# KiCad board panel.kicad_pcb (continued)
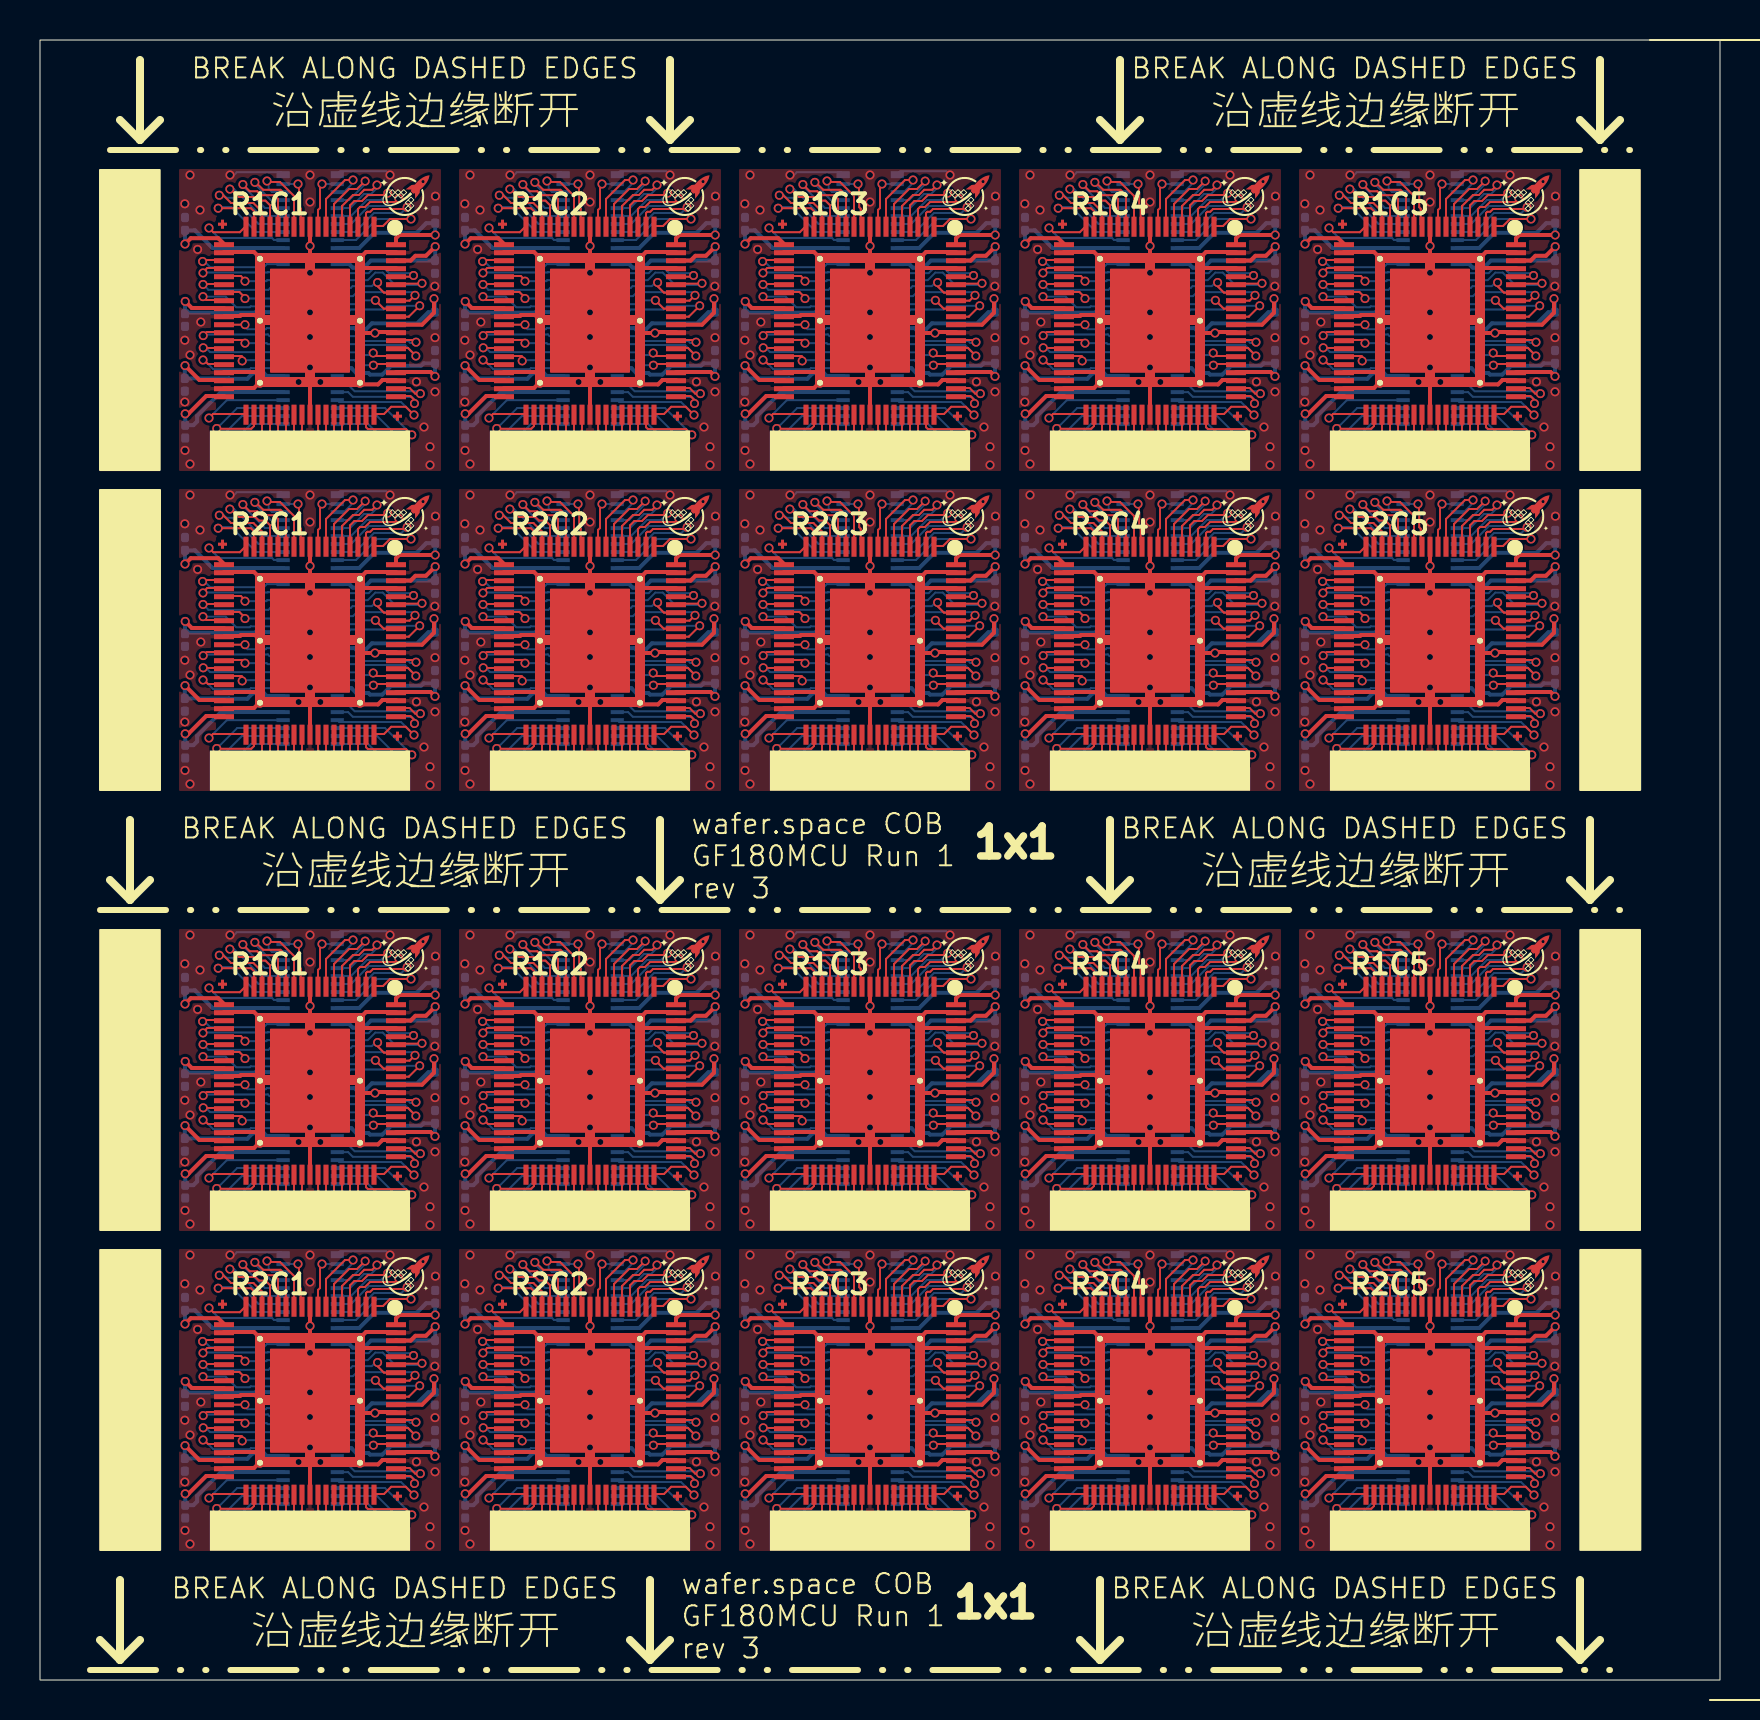
[diagram p0: board, top side]
## Routing (per net, layer and track width the routed paths; a pad name or vN(x,y) marks a point on that pad's centre or on a via; arc(x,y) is an arc through that point) (continued)
  Bottom w0.1: v1(30.66,50.35) 30.56,50.25 30,50.25 29.86,50.39 28.87,50.39 28.87,50.39 ; v1(58.66,28.35) 58.56,28.25 58,28.25 57.86,28.39 56.87,28.39 56.87,28.39 ; 70.87,12.39 70.88,12.39 71.86,12.39 72,12.25 72.56,12.25 v1(72.66,12.35) ; v1(58.66,12.35) 58.56,12.25 58,12.25 57.86,12.39 56.87,12.39 56.87,12.39 ; v1(16.66,12.35) 16.56,12.25 16,12.25 15.86,12.39 14.87,12.39 14.87,12.39 ; v1(44.66,12.35) 44.56,12.25 44,12.25 43.86,12.39 42.87,12.39 42.87,12.39 ; 28.87,28.39 28.87,28.39 29.86,28.39 30,28.25 30.56,28.25 v1(30.66,28.35) ; v1(44.66,28.35) 44.56,28.25 44,28.25 43.86,28.39 42.87,28.39 42.87,28.39 ; U109#2.22 70.88,66.38 71.86,66.38 72,66.25 72.56,66.25 v1(72.66,66.35) ; 70.87,50.39 70.88,50.39 71.86,50.39 72,50.25 72.56,50.25 v1(72.66,50.35) ; U103#2.22 28.87,66.38 29.86,66.38 30,66.25 30.56,66.25 v1(30.66,66.35) ; U105.22 42.87,66.38 43.86,66.38 44,66.25 44.56,66.25 v1(44.66,66.35) ; v1(58.66,66.35) 58.56,66.25 58,66.25 57.86,66.38 56.87,66.38 U107.22 ; 42.87,50.39 42.87,50.39 43.86,50.39 44,50.25 44.56,50.25 v1(44.66,50.35) ; 14.87,50.39 14.87,50.39 15.86,50.39 16,50.25 16.56,50.25 v1(16.66,50.35) ; 14.87,28.39 14.87,28.39 15.86,28.39 16,28.25 16.56,28.25 v1(16.66,28.35) ; U101#2.22 14.87,66.38 15.86,66.38 16,66.25 16.56,66.25 v1(16.66,66.35) ; 56.87,50.39 56.87,50.39 57.86,50.39 58,50.25 58.56,50.25 v1(58.66,50.35) ; v1(72.66,28.35) 72.56,28.25 72,28.25 71.86,28.39 70.88,28.39 70.87,28.39 ; v1(30.66,12.35) 30.56,12.25 30,12.25 29.86,12.39 28.87,12.39 28.87,12.39
/pad_60: length 109.2
  Top w0.1: v1(18.79,50.2) 18.79,50.28 18.8,50.29 18.71,50.29 18.4,50.6 17.8,50.6 ; 31.8,66.6 32.4,66.6 32.71,66.29 32.8,66.29 32.79,66.28 v1(32.79,66.2) ; 45.8,66.6 46.4,66.6 46.71,66.29 46.8,66.29 46.79,66.28 v1(46.79,66.2) ; 73.8,28.6 74.4,28.6 74.71,28.29 74.8,28.29 74.79,28.28 v1(74.79,28.2) ; v1(60.79,28.2) 60.79,28.28 60.8,28.29 60.71,28.29 60.4,28.6 59.8,28.6 ; 45.8,50.6 46.4,50.6 46.71,50.29 46.8,50.29 46.79,50.28 v1(46.79,50.2) ; 17.8,12.6 18.4,12.6 18.71,12.29 18.8,12.29 18.79,12.28 v1(18.79,12.2) ; v1(60.79,50.2) 60.79,50.28 60.8,50.29 60.71,50.29 60.4,50.6 59.8,50.6 ; v1(32.79,50.2) 32.79,50.28 32.8,50.29 32.71,50.29 32.4,50.6 31.8,50.6 ; 45.8,28.6 46.4,28.6 46.71,28.29 46.8,28.29 46.79,28.28 v1(46.79,28.2) ; v1(18.79,28.2) 18.79,28.28 18.8,28.29 18.71,28.29 18.4,28.6 17.8,28.6 ; 45.8,12.6 46.4,12.6 46.71,12.29 46.8,12.29 46.79,12.28 v1(46.79,12.2) ; v1(32.79,12.2) 32.79,12.28 32.8,12.29 32.71,12.29 32.4,12.6 31.8,12.6 ; 73.8,66.6 74.4,66.6 74.71,66.29 74.8,66.29 74.79,66.28 v1(74.79,66.2) ; 59.8,12.6 60.4,12.6 60.71,12.29 60.8,12.29 60.79,12.28 v1(60.79,12.2) ; 73.8,50.6 74.4,50.6 74.71,50.29 74.8,50.29 74.79,50.28 v1(74.79,50.2) ; v1(18.79,66.2) 18.79,66.28 18.8,66.29 18.71,66.29 18.4,66.6 17.8,66.6 ; 73.8,12.6 74.4,12.6 74.71,12.29 74.8,12.29 74.79,12.28 v1(74.79,12.2) ; 31.8,28.6 32.4,28.6 32.71,28.29 32.8,28.29 32.79,28.28 v1(32.79,28.2) ; 59.8,66.6 60.4,66.6 60.71,66.29 60.8,66.29 60.79,66.28 v1(60.79,66.2)
  Bottom w0.1: U101#2.21 15.95,66.8 15.99,66.75 18.25,66.75 18.71,66.29 18.8,66.29 18.79,66.28 v1(18.79,66.2) ; U113#2.21 29.95,50.8 29.99,50.75 32.25,50.75 32.71,50.29 32.8,50.29 32.79,50.28 v1(32.79,50.2) ; v1(18.79,50.2) 18.79,50.28 18.8,50.29 18.71,50.29 18.25,50.75 15.99,50.75 15.95,50.8 U111#2.21 ; v1(18.79,28.2) 18.79,28.28 18.8,28.29 18.71,28.29 18.25,28.75 15.99,28.75 15.95,28.8 U101.21 ; U105#2.21 43.95,28.8 43.99,28.75 46.25,28.75 46.71,28.29 46.8,28.29 46.79,28.28 v1(46.79,28.2) ; U107#2.21 57.95,28.8 57.99,28.75 60.25,28.75 60.71,28.29 60.8,28.29 60.79,28.28 v1(60.79,28.2) ; U117#2.21 57.95,12.8 57.99,12.75 60.25,12.75 60.71,12.29 60.8,12.29 60.79,12.28 v1(60.79,12.2) ; v1(74.79,28.2) 74.79,28.28 74.8,28.29 74.71,28.29 74.25,28.75 72,28.75 71.95,28.8 U109.21 ; U115.21 43.95,50.8 43.99,50.75 46.25,50.75 46.71,50.29 46.8,50.29 46.79,50.28 v1(46.79,50.2) ; U103#2.21 29.95,66.8 29.99,66.75 32.25,66.75 32.71,66.29 32.8,66.29 32.79,66.28 v1(32.79,66.2) ; v1(46.79,66.2) 46.79,66.28 46.8,66.29 46.71,66.29 46.25,66.75 43.99,66.75 43.95,66.8 U105.21 ; U119#2.21 71.95,12.8 72,12.75 74.25,12.75 74.71,12.29 74.8,12.29 74.79,12.28 v1(74.79,12.2) ; v1(32.79,28.2) 32.79,28.28 32.8,28.29 32.71,28.29 32.25,28.75 29.99,28.75 29.95,28.8 U103.21 ; v1(60.79,66.2) 60.79,66.28 60.8,66.29 60.71,66.29 60.25,66.75 57.99,66.75 57.95,66.8 U107.21 ; v1(74.79,66.2) 74.79,66.28 74.8,66.29 74.71,66.29 74.25,66.75 72,66.75 71.95,66.8 U109#2.21 ; v1(60.79,50.2) 60.79,50.28 60.8,50.29 60.71,50.29 60.25,50.75 57.99,50.75 57.95,50.8 U117.21 ; U115#2.21 43.95,12.8 43.99,12.75 46.25,12.75 46.71,12.29 46.8,12.29 46.79,12.28 v1(46.79,12.2) ; U111.21 15.95,12.8 15.99,12.75 18.25,12.75 18.71,12.29 18.8,12.29 18.79,12.28 v1(18.79,12.2) ; v1(74.79,50.2) 74.79,50.28 74.8,50.29 74.71,50.29 74.25,50.75 72,50.75 71.95,50.8 U119.21 ; v1(32.79,12.2) 32.79,12.28 32.8,12.29 32.71,12.29 32.25,12.75 29.99,12.75 29.95,12.8 U113.21
/pad_61: length 104.4
  Top w0.1: 31.8,67 32.71,67 32.8,66.9 v1(32.8,66.89) ; 17.8,51 18.71,51 18.8,50.9 v1(18.8,50.89) ; 31.8,13 32.71,13 32.8,12.9 v1(32.8,12.89) ; 73.8,51 74.71,51 74.8,50.9 v1(74.8,50.89) ; 45.8,67 46.71,67 46.8,66.9 v1(46.8,66.89) ; 45.8,13 46.71,13 46.8,12.9 v1(46.8,12.89) ; v1(46.8,50.89) 46.8,50.9 46.71,51 45.8,51 ; v1(18.8,28.89) 18.8,28.9 18.71,29 17.8,29 ; 59.8,29 60.71,29 60.8,28.9 v1(60.8,28.89) ; 17.8,67 18.71,67 18.8,66.9 v1(18.8,66.89) ; 73.8,67 74.71,67 74.8,66.9 v1(74.8,66.89) ; 59.8,13 60.71,13 60.8,12.9 v1(60.8,12.89) ; v1(60.8,66.89) 60.8,66.9 60.71,67 59.8,67 ; 45.8,29 46.71,29 46.8,28.9 v1(46.8,28.89) ; v1(74.8,12.89) 74.8,12.9 74.71,13 73.8,13 ; v1(74.8,28.89) 74.8,28.9 74.71,29 73.8,29 ; v1(18.8,12.89) 18.8,12.9 18.71,13 17.8,13 ; 31.8,51 32.71,51 32.8,50.9 v1(32.8,50.89) ; 31.8,29 32.71,29 32.8,28.9 v1(32.8,28.89) ; v1(60.8,50.89) 60.8,50.9 60.71,51 59.8,51
  Bottom w0.1: v1(60.8,66.89) 60.8,66.94 60.71,66.85 60.52,66.85 60.42,66.95 58.24,66.95 58,67.19 U107.20 ; v1(74.8,28.89) 74.8,28.94 74.71,28.85 74.52,28.85 74.42,28.95 72.24,28.95 72,29.2 U109.20 ; v1(32.8,50.89) 32.8,50.94 32.71,50.85 32.52,50.85 32.42,50.95 30.24,50.95 30,51.2 U113#2.20 ; U115#2.20 44,13.2 44.24,12.95 46.42,12.95 46.52,12.85 46.71,12.85 46.8,12.94 v1(46.8,12.89) ; U105.20 44,67.19 44.24,66.95 46.42,66.95 46.52,66.85 46.71,66.85 46.8,66.94 v1(46.8,66.89) ; v1(32.8,12.89) 32.8,12.94 32.71,12.85 32.52,12.85 32.42,12.95 30.24,12.95 30,13.2 U113.20 ; U115.20 44,51.2 44.24,50.95 46.42,50.95 46.52,50.85 46.71,50.85 46.8,50.94 v1(46.8,50.89) ; v1(18.8,66.89) 18.8,66.94 18.71,66.85 18.52,66.85 18.42,66.95 16.24,66.95 16,67.19 U101#2.20 ; v1(18.8,12.89) 18.8,12.94 18.71,12.85 18.52,12.85 18.42,12.95 16.24,12.95 16,13.2 U111.20 ; U117.20 58,51.2 58.24,50.95 60.42,50.95 60.52,50.85 60.71,50.85 60.8,50.94 v1(60.8,50.89) ; v1(74.8,50.89) 74.8,50.94 74.71,50.85 74.52,50.85 74.42,50.95 72.24,50.95 72,51.2 U119.20 ; U105#2.20 44,29.2 44.24,28.95 46.42,28.95 46.52,28.85 46.71,28.85 46.8,28.94 v1(46.8,28.89) ; U119#2.20 72,13.2 72.24,12.95 74.42,12.95 74.52,12.85 74.71,12.85 74.8,12.94 v1(74.8,12.89) ; v1(60.8,12.89) 60.8,12.94 60.71,12.85 60.52,12.85 60.42,12.95 58.24,12.95 58,13.2 U117#2.20 ; v1(32.8,28.89) 32.8,28.94 32.71,28.85 32.52,28.85 32.42,28.95 30.24,28.95 30,29.2 U103.20 ; U103#2.20 30,67.19 30.24,66.95 32.42,66.95 32.52,66.85 32.71,66.85 32.8,66.94 v1(32.8,66.89) ; v1(18.8,50.89) 18.8,50.94 18.71,50.85 18.52,50.85 18.42,50.95 16.24,50.95 16,51.2 U111#2.20 ; U101.20 16,29.2 16.24,28.95 18.42,28.95 18.52,28.85 18.71,28.85 18.8,28.94 v1(18.8,28.89) ; v1(60.8,28.89) 60.8,28.94 60.71,28.85 60.52,28.85 60.42,28.95 58.24,28.95 58,29.2 U107#2.20 ; U109#2.20 72,67.19 72.24,66.95 74.42,66.95 74.52,66.85 74.71,66.85 74.8,66.94 v1(74.8,66.89)
/pad_64: length 113.3
  Top w0.1: U118.65 60.44,14.17 v1(60.99,14.71) ; v1(46.99,52.71) 46.44,52.17 U116#2.65 ; v1(74.99,14.71) 74.44,14.17 U120.65 ; v1(46.99,68.71) 46.44,68.16 U106.65 ; U108#2.65 60.44,68.16 v1(60.99,68.71) ; U102#2.65 18.44,30.17 v1(18.99,30.71) ; U120#2.65 74.44,52.17 v1(74.99,52.71) ; U104#2.65 32.44,68.16 v1(32.99,68.71) ; v1(32.99,14.71) 32.44,14.17 U114#2.65 ; v1(18.99,14.71) 18.44,14.17 U112.65 ; v1(74.99,68.71) 74.44,68.16 U110#2.65 ; U112#2.65 18.44,52.17 v1(18.99,52.71) ; v1(18.99,68.71) 18.44,68.16 U102.65 ; v1(74.99,30.71) 74.44,30.17 U110.65 ; U106#2.65 46.44,30.17 v1(46.99,30.71) ; v1(32.99,30.71) 32.44,30.17 U104.65 ; v1(32.99,52.71) 32.44,52.17 U114.65 ; U118#2.65 60.44,52.17 v1(60.99,52.71) ; U116.65 46.44,14.17 v1(46.99,14.71) ; U108.65 60.44,30.17 v1(60.99,30.71)
  Bottom w0.1: 28.87,30.39 29.41,30.39 29.54,30.53 31.19,30.53 31.38,30.71 v1(32.99,30.71) ; 56.87,30.39 57.41,30.39 57.54,30.53 59.19,30.53 59.38,30.71 v1(60.99,30.71) ; 70.87,52.39 71.41,52.39 71.54,52.53 73.19,52.53 73.38,52.71 v1(74.99,52.71) ; v1(46.99,14.71) 45.38,14.71 45.19,14.53 43.54,14.53 43.41,14.39 42.87,14.39 ; v1(18.99,68.71) 17.38,68.71 17.19,68.53 15.54,68.53 15.41,68.4 U101#2.17 ; U103#2.17 29.41,68.4 29.54,68.53 31.19,68.53 31.38,68.71 v1(32.99,68.71) ; 70.87,14.39 71.41,14.39 71.54,14.53 73.19,14.53 73.38,14.71 v1(74.99,14.71) ; v1(74.99,68.71) 73.38,68.71 73.19,68.53 71.54,68.53 71.41,68.4 U109#2.17 ; U105.17 43.41,68.4 43.54,68.53 45.19,68.53 45.38,68.71 v1(46.99,68.71) ; v1(74.99,30.71) 73.38,30.71 73.19,30.53 71.54,30.53 71.41,30.39 70.87,30.39 ; v1(32.99,14.71) 31.38,14.71 31.19,14.53 29.54,14.53 29.41,14.39 28.87,14.39 ; v1(60.99,68.71) 59.38,68.71 59.19,68.53 57.54,68.53 57.41,68.4 U107.17 ; 42.87,52.39 43.41,52.39 43.54,52.53 45.19,52.53 45.38,52.71 v1(46.99,52.71) ; 42.87,30.39 43.41,30.39 43.54,30.53 45.19,30.53 45.38,30.71 v1(46.99,30.71) ; 14.87,52.39 15.41,52.39 15.54,52.53 17.19,52.53 17.38,52.71 v1(18.99,52.71) ; v1(60.99,14.71) 59.38,14.71 59.19,14.53 57.54,14.53 57.41,14.39 56.87,14.39 ; v1(32.99,52.71) 31.38,52.71 31.19,52.53 29.54,52.53 29.41,52.39 28.87,52.39 ; v1(18.99,14.71) 17.38,14.71 17.19,14.53 15.54,14.53 15.41,14.39 14.87,14.39 ; 56.87,52.39 57.41,52.39 57.54,52.53 59.19,52.53 59.38,52.71 v1(60.99,52.71) ; v1(18.99,30.71) 17.38,30.71 17.19,30.53 15.54,30.53 15.41,30.39 14.87,30.39
/pad_65: length 63.8
  Top w0.1: U108#2.66 59.19,68.56 v1(58.77,68.98) ; v1(30.77,52.98) 31.19,52.56 U114.66 ; U118.66 59.19,14.56 v1(58.77,14.98) ; v1(16.77,52.98) 17.19,52.56 U112#2.66 ; U102.66 17.19,68.56 v1(16.77,68.98) ; v1(44.77,52.98) 45.19,52.56 U116#2.66 ; v1(44.77,68.98) 45.19,68.56 U106.66 ; U106#2.66 45.19,30.56 v1(44.77,30.98) ; U110#2.66 73.19,68.56 v1(72.77,68.98) ; U118#2.66 59.19,52.56 v1(58.77,52.98) ; U112.66 17.19,14.56 v1(16.77,14.98) ; v1(72.77,14.98) 73.19,14.56 U120.66 ; v1(30.77,30.98) 31.19,30.56 U104.66 ; v1(72.77,30.98) 73.19,30.56 U110.66 ; v1(44.77,14.98) 45.19,14.56 U116.66 ; v1(58.77,30.98) 59.19,30.56 U108.66 ; U114#2.66 31.19,14.56 v1(30.77,14.98) ; v1(72.77,52.98) 73.19,52.56 U120#2.66 ; v1(30.77,68.98) 31.19,68.56 U104#2.66 ; U102#2.66 17.19,30.56 v1(16.77,30.98)
  Bottom w0.1: v1(16.77,52.98) 16.09,52.98 15.9,52.8 U111#2.16 ; v1(30.77,30.98) 30.09,30.98 29.9,30.8 U103.16 ; v1(44.77,52.98) 44.09,52.98 43.9,52.8 U115.16 ; v1(44.77,30.98) 44.09,30.98 43.9,30.8 U105#2.16 ; v1(72.77,68.98) 72.09,68.98 71.9,68.8 U109#2.16 ; U101.16 15.9,30.8 16.09,30.98 v1(16.77,30.98) ; U113.16 29.9,14.8 30.09,14.98 v1(30.77,14.98) ; v1(30.77,68.98) 30.09,68.98 29.9,68.8 U103#2.16 ; U119.16 71.9,52.8 72.09,52.98 v1(72.77,52.98) ; U117#2.16 57.9,14.8 58.09,14.98 v1(58.77,14.98) ; U117.16 57.9,52.8 58.09,52.98 v1(58.77,52.98) ; v1(44.77,14.98) 44.09,14.98 43.9,14.8 U115#2.16 ; U107.16 57.9,68.8 58.09,68.98 v1(58.77,68.98) ; U119#2.16 71.9,14.8 72.09,14.98 v1(72.77,14.98) ; v1(16.77,14.98) 16.09,14.98 15.9,14.8 U111.16 ; v1(58.77,30.98) 58.09,30.98 57.9,30.8 U107#2.16 ; v1(44.77,68.98) 44.09,68.98 43.9,68.8 U105.16 ; U113#2.16 29.9,52.8 30.09,52.98 v1(30.77,52.98) ; U109.16 71.9,30.8 72.09,30.98 v1(72.77,30.98) ; v1(16.77,68.98) 16.09,68.98 15.9,68.8 U101#2.16
/pad_66: length 101.9
  Top w0.1: U116.67 46.48,14.97 v1(46.75,15.23) ; v1(18.75,15.23) 18.48,14.97 U112.67 ; U110#2.67 74.48,68.97 v1(74.75,69.23) ; U110.67 74.48,30.97 v1(74.75,31.23) ; U114#2.67 32.48,14.97 v1(32.75,15.23) ; U108.67 60.48,30.97 v1(60.75,31.23) ; v1(32.75,69.23) 32.48,68.97 U104#2.67 ; U106#2.67 46.48,30.97 v1(46.75,31.23) ; v1(60.75,15.23) 60.48,14.97 U118.67 ; v1(46.75,53.23) 46.48,52.97 U116#2.67 ; U112#2.67 18.48,52.97 v1(18.75,53.23) ; v1(46.75,69.23) 46.48,68.97 U106.67 ; v1(32.75,31.23) 32.48,30.97 U104.67 ; v1(18.75,69.23) 18.48,68.97 U102.67 ; U120#2.67 74.48,52.97 v1(74.75,53.23) ; v1(32.75,53.23) 32.48,52.97 U114.67 ; v1(74.75,15.23) 74.48,14.97 U120.67 ; v1(18.75,31.23) 18.48,30.97 U102#2.67 ; v1(60.75,69.23) 60.48,68.97 U108#2.67 ; U118#2.67 60.48,52.97 v1(60.75,53.23)
  Bottom w0.1: v1(60.75,53.23) 60.59,53.39 57.85,53.39 57.65,53.2 U117.15 ; v1(60.75,69.23) 60.59,69.4 57.85,69.4 57.65,69.19 U107.15 ; v1(74.75,31.23) 74.59,31.39 71.85,31.39 71.65,31.2 U109.15 ; v1(74.75,15.23) 74.59,15.39 71.85,15.39 71.65,15.2 U119#2.15 ; v1(46.75,15.23) 46.59,15.39 43.85,15.39 43.65,15.2 U115#2.15 ; U117#2.15 57.65,15.2 57.85,15.39 60.59,15.39 v1(60.75,15.23) ; U115.15 43.65,53.2 43.85,53.39 46.59,53.39 v1(46.75,53.23) ; v1(46.75,31.23) 46.59,31.39 43.85,31.39 43.65,31.2 U105#2.15 ; U113.15 29.65,15.2 29.85,15.39 32.59,15.39 v1(32.75,15.23) ; U111.15 15.65,15.2 15.85,15.39 18.59,15.39 v1(18.75,15.23) ; v1(32.75,53.23) 32.59,53.39 29.85,53.39 29.65,53.2 U113#2.15 ; U105.15 43.65,69.19 43.85,69.4 46.59,69.4 v1(46.75,69.23) ; U119.15 71.65,53.2 71.85,53.39 74.59,53.39 v1(74.75,53.23) ; U101.15 15.65,31.2 15.85,31.39 18.59,31.39 v1(18.75,31.23) ; v1(32.75,31.23) 32.59,31.39 29.85,31.39 29.65,31.2 U103.15 ; U107#2.15 57.65,31.2 57.85,31.39 60.59,31.39 v1(60.75,31.23) ; v1(74.75,69.23) 74.59,69.4 71.85,69.4 71.65,69.19 U109#2.15 ; v1(32.75,69.23) 32.59,69.4 29.85,69.4 29.65,69.19 U103#2.15 ; U111#2.15 15.65,53.2 15.85,53.39 18.59,53.39 v1(18.75,53.23) ; v1(18.75,69.23) 18.59,69.4 15.85,69.4 15.65,69.19 U101#2.15
/pad_67: length 67.5
  Top w0.1: v1(72.88,31.88) 72.88,31.69 73.2,31.36 U110.68 ; v1(44.88,53.88) 44.88,53.69 45.2,53.36 U116#2.68 ; v1(16.88,69.88) 16.88,69.69 17.2,69.37 U102.68 ; v1(58.88,31.88) 58.88,31.69 59.2,31.36 U108.68 ; v1(72.88,15.88) 72.88,15.69 73.2,15.36 U120.68 ; U110#2.68 73.2,69.37 72.88,69.69 v1(72.88,69.88) ; U118.68 59.2,15.36 58.88,15.69 v1(58.88,15.88) ; U114.68 31.2,53.36 30.88,53.69 v1(30.88,53.88) ; v1(44.88,31.88) 44.88,31.69 45.2,31.36 U106#2.68 ; v1(72.88,53.88) 72.88,53.69 73.2,53.36 U120#2.68 ; v1(30.88,31.88) 30.88,31.69 31.2,31.36 U104.68 ; v1(16.88,15.88) 16.88,15.69 17.2,15.36 U112.68 ; U116.68 45.2,15.36 44.88,15.69 v1(44.88,15.88) ; v1(58.88,53.88) 58.88,53.69 59.2,53.36 U118#2.68 ; v1(44.88,69.88) 44.88,69.69 45.2,69.37 U106.68 ; v1(16.88,31.88) 16.88,31.69 17.2,31.36 U102#2.68 ; v1(58.88,69.88) 58.88,69.69 59.2,69.37 U108#2.68 ; v1(30.88,69.88) 30.88,69.69 31.2,69.37 U104#2.68 ; U112#2.68 17.2,53.36 16.88,53.69 v1(16.88,53.88) ; U114#2.68 31.2,15.36 30.88,15.69 v1(30.88,15.88)
  Bottom w0.1: U115#2.14 42.87,15.61 43.54,15.61 43.63,15.7 44.59,15.7 44.77,15.88 v1(44.88,15.88) ; v1(44.88,31.88) 44.77,31.88 44.59,31.7 43.63,31.7 43.54,31.61 42.87,31.61 U105#2.14 ; v1(16.88,69.88) 16.77,69.88 16.59,69.69 15.63,69.69 15.54,69.61 14.87,69.61 U101#2.14 ; U113#2.14 28.87,53.61 29.54,53.61 29.63,53.7 30.59,53.7 30.77,53.88 v1(30.88,53.88) ; U103.14 28.87,31.61 29.54,31.61 29.63,31.7 30.59,31.7 30.77,31.88 v1(30.88,31.88) ; v1(16.88,53.88) 16.77,53.88 16.59,53.7 15.63,53.7 15.54,53.61 14.87,53.61 U111#2.14 ; v1(16.88,15.88) 16.77,15.88 16.59,15.7 15.63,15.7 15.54,15.61 14.87,15.61 U111.14 ; U101.14 14.87,31.61 15.54,31.61 15.63,31.7 16.59,31.7 16.77,31.88 v1(16.88,31.88) ; U105.14 42.87,69.61 43.54,69.61 43.63,69.69 44.59,69.69 44.77,69.88 v1(44.88,69.88) ; U119.14 70.88,53.61 71.54,53.61 71.63,53.7 72.59,53.7 72.77,53.88 v1(72.88,53.88) ; v1(30.88,69.88) 30.77,69.88 30.59,69.69 29.63,69.69 29.54,69.61 28.87,69.61 U103#2.14 ; v1(58.88,53.88) 58.77,53.88 58.59,53.7 57.63,53.7 57.54,53.61 56.87,53.61 U117.14 ; U109.14 70.88,31.61 71.54,31.61 71.63,31.7 72.59,31.7 72.77,31.88 v1(72.88,31.88) ; U109#2.14 70.88,69.61 71.54,69.61 71.63,69.69 72.59,69.69 72.77,69.88 v1(72.88,69.88) ; U117#2.14 56.87,15.61 57.54,15.61 57.63,15.7 58.59,15.7 58.77,15.88 v1(58.88,15.88) ; U119#2.14 70.88,15.61 71.54,15.61 71.63,15.7 72.59,15.7 72.77,15.88 v1(72.88,15.88) ; v1(30.88,15.88) 30.77,15.88 30.59,15.7 29.63,15.7 29.54,15.61 28.87,15.61 U113.14 ; U107.14 56.87,69.61 57.54,69.61 57.63,69.69 58.59,69.69 58.77,69.88 v1(58.88,69.88) ; v1(44.88,53.88) 44.77,53.88 44.59,53.7 43.63,53.7 43.54,53.61 42.87,53.61 U115.14 ; v1(58.88,31.88) 58.77,31.88 58.59,31.7 57.63,31.7 57.54,31.61 56.87,31.61 U107#2.14
/pad_68: length 120.2
  Top w0.1: v1(33.1,31.84) 33.08,31.81 31.85,31.81 U104.69 ; U120.69 73.85,15.81 75.08,15.81 v1(75.1,15.84) ; v1(47.1,53.84) 47.08,53.81 45.85,53.81 U116#2.69 ; v1(61.1,53.84) 61.08,53.81 59.85,53.81 U118#2.69 ; U104#2.69 31.85,69.81 33.08,69.81 v1(33.1,69.84) ; v1(47.1,15.84) 47.08,15.81 45.85,15.81 U116.69 ; v1(61.1,69.84) 61.08,69.81 59.85,69.81 U108#2.69 ; U106#2.69 45.85,31.81 47.08,31.81 v1(47.1,31.84) ; U112#2.69 17.85,53.81 19.08,53.81 v1(19.1,53.84) ; v1(33.1,15.84) 33.08,15.81 31.85,15.81 U114#2.69 ; U114.69 31.85,53.81 33.08,53.81 v1(33.1,53.84) ; v1(75.1,53.84) 75.08,53.81 73.85,53.81 U120#2.69 ; U118.69 59.85,15.81 61.08,15.81 v1(61.1,15.84) ; v1(19.1,15.84) 19.08,15.81 17.85,15.81 U112.69 ; v1(19.1,31.84) 19.08,31.81 17.85,31.81 U102#2.69 ; v1(47.1,69.84) 47.08,69.81 45.85,69.81 U106.69 ; v1(75.1,69.84) 75.08,69.81 73.85,69.81 U110#2.69 ; v1(61.1,31.84) 61.08,31.81 59.85,31.81 U108.69 ; v1(75.1,31.84) 75.08,31.81 73.85,31.81 U110.69 ; U102.69 17.85,69.81 19.08,69.81 v1(19.1,69.84)
  Bottom w0.1: v1(75.1,31.84) 75.01,31.75 73.76,31.75 73.14,32.37 72.77,32.37 72.39,32 U109.13 ; v1(33.1,31.84) 33.01,31.75 31.76,31.75 31.14,32.37 30.76,32.37 30.39,32 U103.13 ; U113.13 30.39,16 30.76,16.37 31.14,16.37 31.76,15.75 33.01,15.75 v1(33.1,15.84) ; U115#2.13 44.39,16 44.76,16.37 45.14,16.37 45.76,15.75 47.01,15.75 v1(47.1,15.84) ; U109#2.13 72.39,70 72.77,70.37 73.14,70.37 73.76,69.75 75.01,69.75 v1(75.1,69.84) ; v1(75.1,53.84) 75.01,53.75 73.76,53.75 73.14,54.37 72.77,54.37 72.39,54 U119.13 ; v1(61.1,69.84) 61.01,69.75 59.76,69.75 59.14,70.37 58.76,70.37 58.39,70 U107.13 ; U105#2.13 44.39,32 44.76,32.37 45.14,32.37 45.76,31.75 47.01,31.75 v1(47.1,31.84) ; U101.13 16.39,32 16.76,32.37 17.14,32.37 17.76,31.75 19.01,31.75 v1(19.1,31.84) ; U113#2.13 30.39,54 30.76,54.37 31.14,54.37 31.76,53.75 33.01,53.75 v1(33.1,53.84) ; U111.13 16.39,16 16.76,16.37 17.14,16.37 17.76,15.75 19.01,15.75 v1(19.1,15.84) ; v1(47.1,69.84) 47.01,69.75 45.76,69.75 45.14,70.37 44.76,70.37 44.39,70 U105.13 ; v1(61.1,15.84) 61.01,15.75 59.76,15.75 59.14,16.37 58.76,16.37 58.39,16 U117#2.13 ; v1(33.1,69.84) 33.01,69.75 31.76,69.75 31.14,70.37 30.76,70.37 30.39,70 U103#2.13 ; v1(75.1,15.84) 75.01,15.75 73.76,15.75 73.14,16.37 72.77,16.37 72.39,16 U119#2.13 ; v1(47.1,53.84) 47.01,53.75 45.76,53.75 45.14,54.37 44.76,54.37 44.39,54 U115.13 ; U111#2.13 16.39,54 16.76,54.37 17.14,54.37 17.76,53.75 19.01,53.75 v1(19.1,53.84) ; U107#2.13 58.39,32 58.76,32.37 59.14,32.37 59.76,31.75 61.01,31.75 v1(61.1,31.84) ; U101#2.13 16.39,70 16.76,70.37 17.14,70.37 17.76,69.75 19.01,69.75 v1(19.1,69.84) ; U117.13 58.39,54 58.76,54.37 59.14,54.37 59.76,53.75 61.01,53.75 v1(61.1,53.84)
/pad_69: length 99.3
  Top w0.1: U110.70 74.61,32.17 v1(74.68,32.23) ; v1(18.68,32.23) 18.61,32.17 U102#2.70 ; U108#2.70 60.61,70.16 v1(60.68,70.23) ; U102.70 18.61,70.16 v1(18.68,70.23) ; v1(32.68,54.23) 32.61,54.17 U114.70 ; v1(60.68,16.23) 60.61,16.17 U118.70 ; v1(46.68,70.23) 46.61,70.16 U106.70 ; v1(18.68,16.23) 18.61,16.17 U112.70 ; U118#2.70 60.61,54.17 v1(60.68,54.23) ; U116.70 46.61,16.17 v1(46.68,16.23) ; v1(32.68,16.23) 32.61,16.17 U114#2.70 ; U108.70 60.61,32.17 v1(60.68,32.23) ; v1(18.68,54.23) 18.61,54.17 U112#2.70 ; U116#2.70 46.61,54.17 v1(46.68,54.23) ; v1(74.68,70.23) 74.61,70.16 U110#2.70 ; v1(46.68,32.23) 46.61,32.17 U106#2.70 ; U104#2.70 32.61,70.16 v1(32.68,70.23) ; v1(74.68,54.23) 74.61,54.17 U120#2.70 ; v1(32.68,32.23) 32.61,32.17 U104.70 ; U120.70 74.61,16.17 v1(74.68,16.23)
  Bottom w0.1: 14.87,54.39 14.91,54.34 16.44,54.34 16.66,54.57 17.22,54.57 17.44,54.34 18.56,54.34 v1(18.68,54.23) ; v1(18.68,16.23) 18.56,16.34 17.44,16.34 17.22,16.57 16.66,16.57 16.44,16.34 14.91,16.34 14.87,16.39 ; 70.87,32.39 70.92,32.34 72.44,32.34 72.66,32.57 73.22,32.57 73.44,32.34 74.56,32.34 v1(74.68,32.23) ; v1(74.68,54.23) 74.56,54.34 73.44,54.34 73.22,54.57 72.66,54.57 72.44,54.34 70.92,54.34 70.87,54.39 ; U103#2.12 28.91,70.34 30.44,70.34 30.66,70.57 31.22,70.57 31.44,70.34 32.56,70.34 v1(32.68,70.23) ; v1(46.68,54.23) 46.56,54.34 45.44,54.34 45.22,54.57 44.66,54.57 44.44,54.34 42.91,54.34 42.87,54.39 ; 56.87,54.39 56.91,54.34 58.44,54.34 58.66,54.57 59.22,54.57 59.44,54.34 60.56,54.34 v1(60.68,54.23) ; v1(74.68,16.23) 74.56,16.34 73.44,16.34 73.22,16.57 72.66,16.57 72.44,16.34 70.92,16.34 70.87,16.39 ; 56.87,16.39 56.91,16.34 58.44,16.34 58.66,16.57 59.22,16.57 59.44,16.34 60.56,16.34 v1(60.68,16.23) ; v1(60.68,70.23) 60.56,70.34 59.44,70.34 59.22,70.57 58.66,70.57 58.44,70.34 56.91,70.34 U107.12 ; U105.12 42.91,70.34 44.44,70.34 44.66,70.57 45.22,70.57 45.44,70.34 46.56,70.34 v1(46.68,70.23) ; 42.87,32.39 42.91,32.34 44.44,32.34 44.66,32.57 45.22,32.57 45.44,32.34 46.56,32.34 v1(46.68,32.23) ; U109#2.12 70.92,70.34 72.44,70.34 72.66,70.57 73.22,70.57 73.44,70.34 74.56,70.34 v1(74.68,70.23) ; 42.87,16.39 42.91,16.34 44.44,16.34 44.66,16.57 45.22,16.57 45.44,16.34 46.56,16.34 v1(46.68,16.23) ; 14.87,32.39 14.91,32.34 16.44,32.34 16.66,32.57 17.22,32.57 17.44,32.34 18.56,32.34 v1(18.68,32.23) ; 28.87,54.39 28.91,54.34 30.44,54.34 30.66,54.57 31.22,54.57 31.44,54.34 32.56,54.34 v1(32.68,54.23) ; 28.87,16.39 28.91,16.34 30.44,16.34 30.66,16.57 31.22,16.57 31.44,16.34 32.56,16.34 v1(32.68,16.23) ; v1(32.68,32.23) 32.56,32.34 31.44,32.34 31.22,32.57 30.66,32.57 30.44,32.34 28.91,32.34 28.87,32.39 ; v1(18.68,70.23) 18.56,70.34 17.44,70.34 17.22,70.57 16.66,70.57 16.44,70.34 14.91,70.34 U101#2.12 ; 56.87,32.39 56.91,32.34 58.44,32.34 58.66,32.57 59.22,32.57 59.44,32.34 60.56,32.34 v1(60.68,32.23)
PWR_AUX_0: length 152.9
  Top w0.2: 37.2,68.6 35.59,68.6 v1(35.26,68.93) ; 65.2,30.6 63.59,30.6 v1(63.26,30.93) ; v1(63.26,68.93) 63.59,68.6 65.2,68.6 ; v1(63.26,14.93) 63.59,14.6 65.2,14.6 ; 9.2,30.6 7.59,30.6 v1(7.26,30.93) ; v1(21.26,68.93) 21.59,68.6 23.2,68.6 ; 9.2,14.6 7.59,14.6 v1(7.26,14.93) ; v1(21.26,14.93) 21.59,14.6 23.2,14.6 ; 37.2,14.6 35.59,14.6 v1(35.26,14.93) ; v1(7.26,68.93) 7.59,68.6 9.2,68.6 ; v1(49.26,30.93) 49.59,30.6 51.2,30.6 ; v1(49.26,68.93) 49.59,68.6 51.2,68.6 ; v1(63.26,52.93) 63.59,52.6 65.2,52.6 ; 9.2,52.6 7.59,52.6 v1(7.26,52.93) ; 51.2,14.6 49.59,14.6 v1(49.26,14.93) ; v1(35.26,52.93) 35.59,52.6 37.2,52.6 ; 37.2,30.6 35.59,30.6 v1(35.26,30.93) ; v1(21.26,30.93) 21.59,30.6 23.2,30.6 ; 51.2,52.6 49.59,52.6 v1(49.26,52.93) ; 23.2,52.6 21.59,52.6 v1(21.26,52.93)
  Bottom w0.2: U101#2.54 11.21,68.4 11.19,68.42 10.81,68.42 10.77,68.37 7.3,68.37 C105#2.1 7.25,68.92 v1(7.26,68.93) ; v1(49.26,14.93) 49.25,14.92 C169.1 49.3,14.37 52.77,14.37 52.81,14.42 53.19,14.42 53.21,14.39 54.15,14.39 ; 68.16,14.39 67.21,14.39 67.19,14.42 66.81,14.42 66.77,14.37 63.3,14.37 C177.1 63.25,14.92 v1(63.26,14.93) ; v1(21.26,30.93) 21.25,30.92 C113.1 21.3,30.37 24.77,30.37 24.81,30.42 25.19,30.42 25.21,30.39 26.15,30.39 ; U105.54 39.21,68.4 39.19,68.42 38.81,68.42 38.77,68.37 35.3,68.37 C121.1 35.25,68.92 v1(35.26,68.93) ; v1(35.26,52.93) 35.25,52.92 C161.1 35.3,52.37 38.77,52.37 38.81,52.42 39.19,52.42 39.21,52.39 40.15,52.39 ; v1(63.26,68.93) 63.25,68.92 C137.1 63.3,68.37 66.77,68.37 66.81,68.42 67.19,68.42 67.21,68.4 U109#2.54 ; U103#2.54 25.21,68.4 25.19,68.42 24.81,68.42 24.77,68.37 21.3,68.37 C113#2.1 21.25,68.92 v1(21.26,68.93) ; v1(21.26,52.93) 21.25,52.92 C153.1 21.3,52.37 24.77,52.37 24.81,52.42 25.19,52.42 25.21,52.39 26.15,52.39 ; v1(7.26,30.93) 7.25,30.92 C105.1 7.3,30.37 10.77,30.37 10.81,30.42 11.19,30.42 11.21,30.39 12.15,30.39 ; v1(35.26,30.93) 35.25,30.92 C121#2.1 35.3,30.37 38.77,30.37 38.81,30.42 39.19,30.42 39.21,30.39 40.15,30.39 ; 40.15,14.39 39.21,14.39 39.19,14.42 38.81,14.42 38.77,14.37 35.3,14.37 C161#2.1 35.25,14.92 v1(35.26,14.93) ; v1(7.26,52.93) 7.25,52.92 C145#2.1 7.3,52.37 10.77,52.37 10.81,52.42 11.19,52.42 11.21,52.39 12.15,52.39 ; v1(63.26,30.93) 63.25,30.92 C137#2.1 63.3,30.37 66.77,30.37 66.81,30.42 67.19,30.42 67.21,30.39 68.16,30.39 ; v1(21.26,14.93) 21.25,14.92 C153#2.1 21.3,14.37 24.77,14.37 24.81,14.42 25.19,14.42 25.21,14.39 26.15,14.39 ; 54.15,30.39 53.21,30.39 53.19,30.42 52.81,30.42 52.77,30.37 49.3,30.37 C129#2.1 49.25,30.92 v1(49.26,30.93) ; 12.15,14.39 11.21,14.39 11.19,14.42 10.81,14.42 10.77,14.37 7.3,14.37 C145.1 7.25,14.92 v1(7.26,14.93) ; 54.15,52.39 53.21,52.39 53.19,52.42 52.81,52.42 52.77,52.37 49.3,52.37 C169#2.1 49.25,52.92 v1(49.26,52.93) ; v1(63.26,52.93) 63.25,52.92 C177#2.1 63.3,52.37 66.77,52.37 66.81,52.42 67.19,52.42 67.21,52.39 68.16,52.39 ; U107.54 53.21,68.4 53.19,68.42 52.81,68.42 52.77,68.37 49.3,68.37 C129.1 49.25,68.92 v1(49.26,68.93)
